# KiCad board Thor_20_expansion.kicad_pcb (continued)
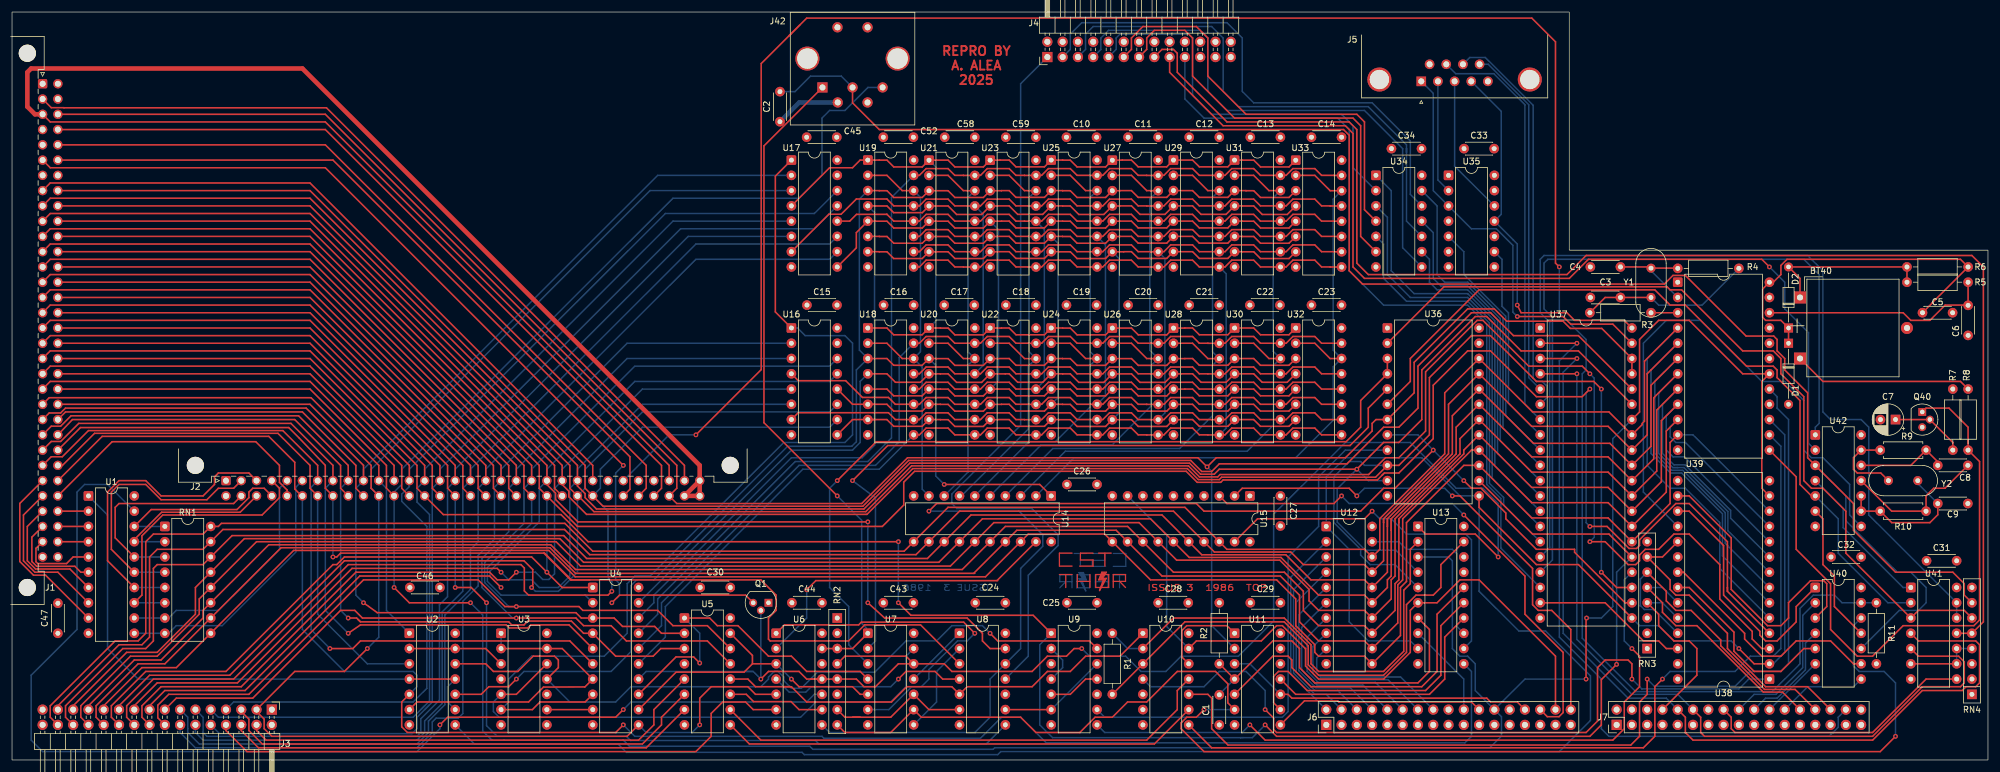
[diagram p0: board, top side]
## Routing (per net, layer and track width the routed paths; a pad name or vN(x,y) marks a point on that pad's centre or on a via; arc(x,y) is an arc through that point) (continued)
A1: length 532.2
  Top w0.25: J2.b24 92.71,45.21 92.71,49.02 49.53,92.2 J1.b9 ; 94.11,43.94 96.73,41.32 141.9,41.32 149.52,48.94 195.53,48.94 197.37,47.1 200.39,47.1 200.79,47.5 225.48,47.5 228.28,50.29 230.5,50.29 234.95,54.74 234.95,64.58 243.52,73.15 244.47,73.15 252.09,65.53 260.99,65.53 v1(262.25,64.26) ; 17.78,9.02 22.86,14.1 36.2,14.1 55.24,33.15 85.09,33.15 86.55,31.69 86.55,29.15 v1(86.36,28.7) ; v1(262.25,36.32) 264.8,36.32 268.61,32.51 269.88,32.51 270.51,33.15 270.51,34.1 271.46,35.05 273.69,35.05 276.23,37.59 278.77,37.59 283.85,32.51 283.85,26.79 289.24,21.4 289.24,20.13 290.83,18.54 U38.3
  Bottom w0.25: v1(86.36,28.7) 87,28.07 90.81,28.07 93.98,31.24 J2.b24 95.25,45.21 95.25,48.39 104.78,57.91 135.89,57.91 137.16,59.18 ; v1(262.25,64.26) 262.98,63.54 262.98,37.05 v1(262.25,36.32)
A2: length 473.4
  Top w0.25: J1.b8 49.53,94.74 95.25,49.02 95.25,45.21 J2.b25 98.24,42.22 141.41,42.22 149.03,49.84 195.9,49.84 197.74,48.01 199.39,48.01 200.66,49.28 221.87,49.28 227.97,55.37 230.5,55.37 233.68,58.55 233.68,65.53 242.57,74.42 245.74,74.42 249.55,70.61 260.35,70.61 U37.36 ; 20.32,5.84 19.05,7.11 19.05,9.02 23.49,13.46 36.83,13.46 55.88,32.51 84.58,32.51 85.15,31.94 85.15,28.13 85.85,27.43 99.06,27.43 v1(99.69,28.07)
  Bottom w0.25: v1(99.69,28.07) 99.69,29.72 99.06,30.35 99.06,41.4 J2.b25 97.79,45.21 97.79,48.39 104.78,55.37 135.89,55.37 U16.10
A3: length 489.3
  Top w0.25: J1.a9 6.35,93.47 49.53,93.47 93.98,49.02 J2.a24 93.98,45.59 95.25,44.32 95.25,43.69 ; 20.32,9.02 24.13,12.83 37.46,12.83 56.51,31.88 80.65,31.88 v1(81.28,31.24) ; 269.24,59.18 260.35,68.07 250.83,68.07 245.11,73.79 243.21,73.79 234.31,64.9 234.31,56.64 230.5,52.83 227.97,52.83 v1(223.52,48.39) 200.66,48.39 199.83,47.56 197.55,47.56 195.72,49.39 149.22,49.39 141.6,41.77 97.13,41.77 95.25,43.65
  Bottom w0.25: v1(81.28,31.24) 82.55,29.97 86.36,29.97 87.63,28.7 90.81,28.7 92.71,30.61 92.71,45.21 J2.a24 93.98,48.39 104.78,59.18 129.54,59.18 ; U36.11 225.42,46.48 v1(223.52,48.39) 220.25,45.12 220.25,39.59 224.93,34.91 230.01,34.91 U13.4
A4: length 523.6
  Top w0.25: J2.a23 91.44,49.02 49.53,90.93 6.35,90.93 J1.a10 ; 22.86,5.84 21.59,7.11 21.59,9.02 24.77,12.19 38.1,12.19 57.15,31.24 79.38,31.24 80.65,29.97 82.55,29.97 v1(83.82,31.24) ; 91.44,45.84 92.54,44.74 92.54,43.81 95.49,40.87 142.09,40.87 149.71,48.49 195.34,48.49 197.18,46.65 200.65,46.65 201.04,47.05 226.62,47.05 228.6,49.02 230.5,49.02 235.59,54.1 235.59,63.63 242.57,70.61 245.74,70.61 253.36,62.99 262.89,62.99 v1(264.16,61.72) ; U37.23 266.7,28.7 v1(264.16,31.24)
  Bottom w0.25: 228.6,49.02 224.79,49.02 224.16,49.66 222.25,49.66 219.71,47.12 219.71,39.5 224.16,35.05 224.16,34.09 225.74,32.51 229.87,32.51 U13.5 ; v1(83.82,31.24) 87,31.24 88.2,30.04 89.22,30.04 90.17,30.99 90.17,45.21 J2.a23 91.44,48.39 104.78,61.72 U16.5 ; v1(264.16,61.72) v1(264.16,31.24)
A5: length 347.2
  Top w0.25: 88.9,45.84 90.34,44.4 90.34,43.35 94.06,39.62 v1(142.24,39.62) ; J2.a22 88.9,49.02 49.53,88.39 6.35,88.39 J1.a11 ; U8.13 162.56,18.54 161.29,19.81 161.29,21.08 158.75,23.62 145.03,23.62 v1(142.24,26.16) ; v1(81.28,28.7) 79.38,30.61 57.79,30.61 38.74,11.56 25.4,11.56 22.86,9.02
  Bottom w0.25: v1(81.28,28.7) 79.46,30.52 79.46,31.45 87.63,39.62 87.63,45.21 J2.a22 88.9,48.39 103.5,62.99 135.89,62.99 U16.13 ; v1(142.24,39.62) v1(142.24,26.16)
A6: length 299.3
  Top w0.25: J2.a21 86.36,49.02 49.53,85.85 6.35,85.85 J1.a12 ; U5.14 115.57,22.35 109.85,22.35 107.31,24.89 94.87,24.89 94.23,25.53 v1(83.82,25.53) 81.91,25.53 77.47,29.97 58.42,29.97 39.37,10.92 26.03,10.92 24.23,9.11 24.23,7.02 25.4,5.84
  Bottom w0.25: v1(83.82,25.53) 82.55,25.53 78.56,29.52 78.56,32.84 85.09,39.37 85.09,45.21 J2.a21 86.36,48.39 103.5,65.53 135.89,65.53 U16.14
A7: length 283.7
  Top w0.25: J1.a13 6.35,83.31 49.53,83.31 83.82,49.02 J2.a20 ; J3.15 27.3,10.29 40.01,10.29 54.61,24.89 56.97,24.89 58.24,23.62 v1(83.82,23.62) 93.73,23.62 95,22.35 99.57,22.35 102.11,19.81 115.57,19.81 U5.13
  Bottom w0.25: v1(83.82,23.62) 83.19,23.62 78.1,28.7 78.1,33.53 82.55,37.97 82.55,45.21 J2.a20 83.82,48.39 102.23,66.8 U16.3
A8: length 245.3
  Top w0.25: J1.a14 6.35,80.77 49.53,80.77 81.28,49.02 J2.a19
  Bottom w0.25: 27.94,5.84 27.94,4.57 30.48,2.03 67.31,2.03 69.85,4.57 69.85,6.33 70.49,6.97 74.17,6.97 74.93,7.73 74.93,26.42 77.47,28.96 77.47,34.04 80.18,36.75 80.18,45.38 J2.a19 81.28,48.39 102.23,69.34 129.54,69.34
A9: length 255.9
  Top w0.25: J2.a18 78.74,49.02 49.53,78.23 6.35,78.23 J1.a15
  Bottom w0.25: 67.31,2.67 31.12,2.67 29.21,4.57 29.21,5.21 29.21,7.11 J3.13 ; 67.31,2.67 69.22,4.57 69.22,6.48 71.94,9.2 71.94,24.13 76.2,28.39 76.2,35.05 77.47,36.32 77.47,45.21 J2.a18 78.74,48.39 113.66,83.31 135.89,83.31 U17.10
A10: length 249.6
  Top w0.25: J1.a16 6.35,75.69 49.53,75.69 76.2,49.02 J2.a17
  Bottom w0.25: 30.48,5.84 30.48,4.57 31.75,3.3 67.31,3.3 68.58,4.57 68.58,6.48 71.49,9.39 71.49,24.64 74.93,28.08 74.93,45.21 J2.a17 76.2,48.39 113.66,85.85 135.89,85.85 U17.11
A11: length 240.8
  Top w0.25: J2.a16 73.66,49.02 49.53,73.15 6.35,73.15 J1.a17
  Bottom w0.25: J3.11 31.75,7.11 31.75,4.57 32.38,3.94 67.31,3.94 67.94,4.57 67.94,6.86 71.04,9.95 71.04,25.82 72.39,27.18 72.39,45.21 J2.a16 73.66,48.39 112.39,87.12 U17.6
A12: length 243.3
  Top w0.25: J2.a15 71.12,49.02 49.53,70.61 6.35,70.61 J1.a18
  Bottom w0.25: 69.34,9.14 67.31,7.11 67.31,5.21 66.49,4.39 34.48,4.39 33.02,5.84 ; 68.58,8.38 69.85,9.65 69.85,45.21 J2.a15 71.12,48.39 111.12,88.39 133.35,88.39 U17.13
A13: length 231.3
  Top w0.25: J1.a19 6.35,68.07 49.53,68.07 68.58,49.02 J2.a14
  Bottom w0.25: 68.58,9.02 67.31,7.75 66.68,7.11 34.29,7.11 J3.9 ; 68.01,8.45 69.4,9.84 69.4,40.84 67.31,42.93 67.31,45.21 J2.a14 68.58,48.39 109.85,89.66 U17.5
A14: length 234.8
  Top w0.25: J2.a13 66.04,49.02 49.53,65.53 6.35,65.53 J1.a20
  Bottom w0.25: J3.7 36.83,9.65 66.68,9.65 68.95,11.92 68.95,38.86 64.77,43.04 64.77,44.23 66.04,45.5 J2.a13 66.04,48.39 108.58,90.93 133.35,90.93 U17.14
A15: length 301.3
  Top w0.25: v1(59.05,18.54) 55.24,14.73 46.99,14.73 J3.3 ; J2.b11 59.69,45.21 59.69,49.02 49.53,59.18 J1.b22 ; 40.64,8.06 41.91,6.79 41.91,5.21 43.18,3.94 102.23,3.94 104.14,5.84 ; U6.5 123.57,10.92 122.3,12.19 116.2,12.19 114.3,10.29 v1(114.3,5.84)
  Bottom w0.25: v1(114.3,5.84) 113.03,4.57 105.41,4.57 104.14,5.84 ; v1(59.05,18.54) 60.96,20.45 J2.b11 59.69,45.21 59.69,48.39 106.04,94.74 U17.3
A16: length 230.6
  Top w0.25: U5.2 107.95,21.08 106.81,22.22 101.47,22.22 100.08,23.62 U4.3 94.62,23.62 93.73,24.51 60.71,24.51 v1(58.42,26.16) ; J1.a23 6.18,57.74 8.08,57.74 8.88,58.55 48.9,58.55 58.42,49.02 J2.a10
  Bottom w0.25: U17.2 107.31,97.28 58.42,48.39 J2.a10 57.15,45.21 57.15,27.43 v1(58.42,26.16)
A17: length 141.9
  Top w0.25: 57.53,23.37 57.91,22.99 82.55,22.99 83.06,22.48 85.09,22.48 85.72,23.11 92.96,23.11 95,21.08 U4.4 100.33,17.27 106.55,17.27 107.82,18.54 U5.3 ; 57.53,23.37 57.79,23.11 ; 57.53,23.37 57.28,23.62 v1(55.88,23.62) ; J1.a24 6.52,55.54 8.08,55.54 9.81,57.28 47.63,57.28 55.88,49.02 J2.a9
  Bottom w0.25: J2.a9 54.61,45.21 54.61,24.89 v1(55.88,23.62)
A18: length 126.2
  Top w0.25: J2.a8 53.34,49.02 46.35,56.01 11.08,56.01 8.08,53 6.52,53 J1.a25 ; U4.5 92.58,22.48 86.23,22.48 85.72,21.97 82.64,21.97 82.13,22.48 57.91,22.48 v1(55.88,21.08)
  Bottom w0.25: v1(55.88,21.08) 52.07,24.89 52.07,45.21 J2.a8
A19: length 128.5
  Top w0.25: 96.52,16 92.71,19.81 57.91,19.81 56.64,18.54 v1(52.83,18.54) ; J1.a26 6.52,50.46 8.35,50.46 12.7,54.81 45.01,54.81 50.8,49.02 J2.a7
  Bottom w0.25: v1(52.83,18.54) 49.7,21.67 49.7,45.38 J2.a7
ACK_HOLD: length 56
  Top w0.25: U11.5 209.55,17.27 212.09,17.27 212.72,16.64 212.72,15.37 215.9,12.19 234.31,12.19 236.85,14.73 236.85,24.26 U13.16
BLK1: length 50
  Top w0.25: 123.06,16 U6.3 ; 123.06,16 121.67,14.6 110.36,14.6 U4.12 ; 123.06,16 123.06,17.4 U5.15 ; U7.5 140.97,10.92 139.7,12.19 130.81,12.19 130.81,12.19 129.54,13.46
  Bottom w0.25: 127,16 129.54,13.46 v1(129.54,13.46)
CLKCPU: length 91
  Top w0.25: J2.a11 60.96,49.02 49.7,60.28 6.18,60.28 J1.a22
  Bottom w0.25: U2.1 62.23,24.89 62.23,45.21 J2.a11
CS1: length 119.2
  Top w0.25: v1(205.74,5.84) 208.28,3.3 266.06,3.3 267.97,5.21 267.97,9.65 270.51,12.19 270.51,17.27 v1(269.24,18.54)
  Bottom w0.25: U9.8 181.61,4.57 204.47,4.57 v1(205.74,5.84) ; v1(269.24,18.54) 267.97,19.81 267.97,29.97 U37.24
CS2: length 87.1
  Bottom w0.25: U9.9 181.61,7.11 211.14,7.11 212.09,8.06 212.09,33.78 217.17,38.86 217.17,47.12 221.61,51.56 228.6,51.56
DISC: length 77.7
  Top w0.25: U13.2 232.41,35.05 232.41,29.34 231.32,28.25 231.32,18.1 227.96,14.73 217.17,14.73 215.9,16 215.9,19.17 211.45,23.62 193.04,23.62 U10.2
  Bottom w0.25: R1.2 185.42,18.54 U10.2
DS: length 52.5
  Top w0.25: U3.2 U3.13 91.44,18.54 U4.7 95.19,12.13 ; U2.6 67.31,9.65 85.85,9.65 88.33,12.13 95.22,12.16
  Bottom w0.25: U3.1 U3.2
DS': length 300.2
  Top w0.25: 48.13,43.94 46.99,45.09 46.99,49.53 42.67,53.85 14.99,53.85 J1.b27 ; v1(101.6,5.84) 100.33,4.57 65.72,4.57 64.77,5.52 64.77,9.65 U2.5
  Bottom w0.25: U13.11 242.57,14.73 242.57,3.94 241.48,2.85 171.9,2.85 167.64,7.11 164.47,7.11 160.97,3.62 134.94,3.62 134.62,3.94 103.5,3.94 v1(101.6,5.84) ; U2.5 67.31,12.19 67.31,14.1 66.68,14.73 55.24,14.73 48.26,21.72 J2.b6
DSMC: length 388
  Top w0.25: v1(257.18,82.04) 256.54,82.68 256.54,119.51 252.6,123.44 132.08,123.44 129.48,120.84 ; v1(113.66,54.1) 124.52,64.96 124.52,115.89 129.48,120.84 ; 129.48,120.84 129.16,120.52 130.94,122.3
  Bottom w0.25: v1(113.66,54.1) 109.22,54.1 J2.a27 ; R11.2 U40.13 304.17,26.16 302.9,27.43 299.4,27.43 297.18,25.21 297.18,16 292.55,11.37 269.88,11.37 260.99,20.26 260.99,64.26 261.62,64.9 261.62,69.98 257.18,74.42 v1(257.18,82.04)
DTACK: length 194.4
  Top w0.25: 96.01,29.97 92.84,29.97 88.39,34.42 ; 96.01,29.97 124.46,29.97 127,27.43 127,24.89 125.73,23.62 125.73,20.1 126.02,19.81 139.05,19.81 141.72,22.48 151,22.48 U8.3 ; 96.01,29.97 92.96,29.97 92.33,30.61 ; 88.39,34.42 54.61,34.42 53.98,33.78 v1(53.34,33.78) ; 88.39,34.42 88.52,34.42 92.33,30.61 ; J2.b8 52.07,45.21 52.07,49.02 47.73,53.57 45.98,55.31 11.37,55.31 J1.b25 ; 92.33,30.61 92.46,30.48
  Bottom w0.25: J2.b8 v1(53.34,33.78)
E: length 366
  Top w0.25: 243.84,46.48 252.73,37.59 265.43,37.59 269.24,33.78 ; J1.b19 49.53,66.8 67.31,49.02 67.31,45.21 J2.b14 71.69,40.83 91.25,40.83 95.76,36.32 v1(147.32,36.32) ; v1(147.32,26.16) 149.41,24.07 169.73,24.07 U9.1 ; v1(266.7,15.91) 264.16,13.37 264.16,5.84 262.25,3.94 210.18,3.94 208.28,5.84 v1(208.28,5.84)
  Bottom w0.25: 269.24,33.78 266.7,31.24 v1(266.7,15.91) ; v1(208.28,5.84) 206.15,3.71 204.22,3.71 ; 204.22,3.71 204.63,3.71 ; 204.22,3.71 172.95,3.71 170.81,5.84 170.81,19.18 U9.1 ; v1(147.32,36.32) v1(147.32,26.16)
EN: length 233.7
  Top w0.25: v1(177.8,18.54) 176.53,18.54 175.26,17.27 172.08,17.27 169.54,14.73 156.21,14.73 154.94,16 U7.12 ; U7.12 148.59,17.27 138.43,17.27 RN2.4 ; U7.12 147.32,16 143.51,12.19 141.6,12.19 140.33,13.46 132.72,13.46 ; U6.11 132.08,13.46 130.81,14.73 125.73,14.73 v1(124.46,13.46) ; v1(247.02,33.78) 243.21,37.59 234.95,37.59 U13.1
  Bottom w0.25: 121.92,14.73 105.41,14.73 U4.14 ; 121.92,14.73 123.19,14.73 v1(124.46,13.46) Q1.2 ; 121.92,14.73 123.06,14.73 ; v1(247.02,33.78) 247.02,42.67 244.47,45.21 240.03,45.21 232.41,52.83 221.61,52.83 209.69,40.91 209.69,23.13 203.83,17.27 194.31,17.27 191.77,14.73 187.64,14.73 185.1,17.27 179.07,17.27 v1(177.8,18.54)
EXTINT: length 349.7
  Top w0.25: J1.b3 52.07,107.44 110.49,49.02 110.49,45.21 J2.b30 110.49,42.67 141.22,42.67 148.84,50.29 197.1,50.29 v1(198.63,48.77) 200.15,50.29 221.62,50.29 226.06,54.73 226.06,56.01 226.69,56.64 U36.7 233.04,61.09 233.04,66.17 241.93,75.06 246.38,75.06 248.43,73.01 257.81,73.01 259.01,71.81 264.23,71.81 U37.38 U37.37
  Bottom w0.25: U11.2 199.39,22.35 199.39,48.01 v1(198.63,48.77)
FC0: length 134.1
  Top w0.25: J2.b21 85.09,45.21 85.09,49.02 49.53,84.58 J1.b12
  Bottom w0.25: J2.b21 86.36,39.37 79.01,32.02 79.01,29.71 81.28,27.43 95.25,27.43 U4.2
FDC_DDEN: length 26
  Top w0.25: U37.19 264.8,26.16 271.15,19.81 273.69,19.81 274.96,18.54 U38.26
FDC_DS0': length 153.3
  Top w0.25: J7.10 278.13,7.11 278.13,4.57 279.4,3.3 309.25,3.3 317.51,11.56 324.14,11.56 324.77,12.19 326.39,12.19 327.03,12.83 327.03,19.18 326.39,19.81 316.87,19.81 U41.4 ; U37.3 v1(260.1,66.8)
  Bottom w0.25: v1(260.1,66.8) 257.81,64.52 257.81,21.08 268.61,10.29 274.96,10.29 J7.10
FDC_DS1': length 139.8
  Top w0.25: v1(260.1,64.26) U37.4 ; U41.5 316.87,17.27 323.54,17.27 324.49,16.32 324.49,12.83 323.85,12.19 317.5,12.19 309.25,3.94 281.31,3.94 280.67,4.57 280.67,7.11 J7.12
  Bottom w0.25: J7.12 276.86,10.92 269.24,10.92 260.1,20.07 v1(260.1,64.26)
FDC_SIDE: length 118.3
  Top w0.25: 254,69.34 v1(260.1,69.34)
  Bottom w0.25: v1(260.1,69.34) 257.18,66.42 257.18,20.45 264.16,13.46 264.16,5.21 265.43,3.94 302.02,3.94 303.53,5.45 303.53,7.11 J7.32
LD0: length 405.5
  Top w0.25: U39.4 271.33,66.35 271.33,56.38 270.96,56.01 270.96,55.82 U37.33 265.43,57.91 252.73,57.91 U36.22 238.12,61.09 238.12,50.94 227.33,40.15 227.33,35.05 U12.18 224.79,35.05 201.93,35.05 U15.18 194.94,42.04 155.57,42.04 U14.11 148.28,34.74 96.52,34.74 91.89,39.37 34.8,39.37 34.29,38.86 RN1.16 31.75,37.59 23.49,37.59 22.23,36.32 22.23,21.08 20.95,19.81 17.15,19.81 6.35,9.02 6.35,7.11 7.62,5.84
  Bottom w0.25: U39.4 271.78,66.8 271.78,49.02 275.59,45.21 278.13,45.21 283.85,39.5 283.85,31.88 U38.5
LD1: length 394.2
  Top w0.25: 227.97,40.13 227.97,39.5 ; 227.97,39.5 227.97,40.15 238.76,50.94 238.76,59.18 U36.21 252.59,55.52 265.29,55.52 269.24,51.56 271.78,54.1 271.78,64.26 U39.5 ; 227.97,39.5 227.97,33.15 U12.17 224.79,32.51 214.63,32.51 212.54,34.6 199.84,34.6 U15.17 193.04,41.4 157.48,41.4 U14.12 150.25,34.17 96.01,34.17 91.83,38.35 35.05,38.35 31.75,35.05 24.13,35.05 22.86,33.78 22.86,20.45 21.59,19.18 17.78,19.18 7.62,9.02
  Bottom w0.25: U38.6 284.3,33.97 284.3,40.97 277.51,47.75 275.66,47.75 272.42,51 272.42,64.9 U39.5
LD2: length 391.1
  Top w0.25: 10.16,5.84 8.89,7.11 8.89,9.02 18.41,18.54 22.23,18.54 23.49,19.81 23.49,31.88 24.13,32.51 31.75,32.51 36.58,37.34 91.69,37.34 95.5,33.53 152.15,33.53 U14.13 159.38,40.77 191.13,40.77 U15.16 197.75,34.15 211.72,34.15 215.9,29.97 224.79,29.97 U12.16 228.6,31.24 228.6,38.86 ; U39.6 272.42,62.36 272.42,52.2 269.24,49.02 265.57,52.69 252.87,52.69 U36.20 239.4,57.28 239.4,50.94 228.6,40.14 228.6,38.86 ; 228.6,38.86 228.6,40.13
  Bottom w0.25: U38.7 284.75,36.06 284.75,41.15 277.7,48.2 275.85,48.2 273.05,51 273.05,62.99 U39.6
LD3: length 378
  Top w0.25: 229.23,40.13 229.23,38.23 ; 229.23,38.23 229.23,40.14 240.03,50.94 240.03,55.37 243.84,59.18 252.59,50.44 265.29,50.44 U37.30 272.87,50.11 272.87,60.27 U39.7 ; 229.23,38.23 229.23,30.61 228.6,29.97 228.6,28.7 U12.15 224.79,27.43 217.17,27.43 210.9,33.7 195.66,33.7 U15.15 189.23,40.13 161.29,40.13 U14.14 154.05,32.89 95,32.89 91.06,36.83 38.61,36.83 30.48,28.7 30.48,24.26 24.13,17.91 19.05,17.91 10.16,9.02
  Bottom w0.25: U39.7 273.69,61.09 273.69,51.01 276.04,48.65 276.86,48.65 ; U38.8 285.2,38.14 285.2,41.34 277.89,48.65 276.86,48.65 ; 276.86,48.65 276.23,48.65
LD4: length 372.9
  Top w0.25: U39.8 273.37,58.23 273.37,48.07 U37.29 265.29,47.9 252.59,47.9 U36.18 240.66,53.47 240.66,50.93 229.87,40.14 229.87,30.6 229.23,29.97 229.23,26.8 U12.14 224.79,24.89 217.17,24.89 215.58,26.48 215.58,28.38 210.72,33.25 193.57,33.25 187.32,39.5 163.19,39.5 155.96,32.26 94.49,32.26 90.43,36.32 40.64,36.32 31.12,26.8 31.12,24.26 24.13,17.27 19.69,17.27 11.43,9.02 11.43,7.11 12.7,5.84
  Bottom w0.25: U38.9 285.65,40.23 285.65,41.53 278.07,49.1 276.23,49.1 274.32,51.01 274.32,59.18 U39.8
LD5: length 363.6
  Top w0.25: 230.5,39.5 230.5,40.13 241.3,50.93 241.3,51.56 U36.17 252.59,45.36 265.29,45.36 269.24,41.4 274.14,46.3 274.14,56.46 U39.9 ; 230.5,39.5 230.5,29.97 229.87,29.34 229.87,24.89 U12.13 224.79,22.35 217.17,22.35 214.63,24.89 214.63,28.08 211.47,31.24 193.04,31.24 U15.13 185.42,38.86 165.1,38.86 U14.16 157.93,31.69 93.67,31.69 89.54,35.81 42.67,35.81 31.75,24.89 31.75,23.62 24.77,16.64 20.32,16.64 12.7,9.02 ; 230.5,39.5 230.5,40.13
  Bottom w0.25: U39.9 274.96,57.28 274.96,51.56 276.08,50.44 277.99,50.44 U38.10
LD6: length 361.2
  Top w0.25: 160.02,31.05 93.66,31.05 89.4,35.32 44.72,35.32 RN1.10 25.4,16 20.95,16 13.97,9.02 13.97,7.11 15.24,5.84 ; U39.10 274.96,54.74 274.96,44.58 U37.27 265.29,42.82 252.59,42.82 243.84,51.56 242.57,51.56 231.14,40.13 231.14,29.97 230.32,29.15 230.32,22.8 U12.12 224.79,19.81 217.17,19.81 214,22.99 214,27.43 210.82,30.61 191.13,30.61 U15.12 183.51,38.23 167,38.23 U14.17 159.83,31.05
  Bottom w0.25: U38.11 278.13,52.83 276.54,52.83 275.59,53.78 275.59,55.37 U39.10
LD7: length 352.6
  Top w0.25: 15.24,9.02 21.59,15.37 27.3,15.37 RN1.9 46.81,34.87 89.21,34.87 93.6,30.48 161.8,30.48 U14.18 168.91,37.59 181.61,37.59 U15.11 189.23,29.97 210.19,29.97 213.36,26.8 213.36,22.35 216.53,19.18 216.53,17.91 217.17,17.27 224.79,17.27 U12.11 230.77,20.72 230.77,28.7 231.78,29.7 231.78,39.5 241.3,49.02 243.84,49.02 252.59,40.28 265.29,40.28 U37.26 275.59,42.67 275.59,52.83 U39.11
  Bottom w0.25: U38.12 279.4,54.1 U39.11
PSEL: length 157.3
  Top w0.25: U4.8 95.25,9.65 87.76,9.65 86.49,8.38 U3.6 ; U16.1 126.87,74.55 126.87,97.16 U17.1
  Bottom w0.25: U3.6 82.55,9.65 82.55,13.46 86.36,17.27 98.42,17.27 102.23,21.08 102.23,29.34 103.5,30.61 106.04,30.61 128.27,52.83 138.43,52.83 139.7,54.1 139.7,69.34 138.43,70.61 131.83,70.61 130.56,71.88 U16.1
QL_DSMC: length 166.3
  Top w0.25: Q1.3 121.92,27.43 100.97,27.43 v1(99.69,26.16) ; J1.a6 6.35,98.55 52.07,98.55 v1(101.6,49.02)
  Bottom w0.25: v1(101.6,49.02) 100.33,47.75 100.33,29.97 100.97,29.34 100.97,27.43 v1(99.69,26.16)
RAM: length 7.6
  Top w0.25: U4.9 U3.9
RAM_RW: length 330.2
  Top w0.25: U32.3 212.23,65.68 207.5,65.68 206.38,66.8 U30.3 202.07,65.68 197.34,65.68 196.22,66.8 194.94,66.8 194.93,66.79 U28.3 191.92,65.66 187.19,65.66 186.06,66.79 U26.3 181.75,65.66 177.02,65.66 175.89,66.79 174.62,66.79 174.61,66.8 U24.3 171.59,65.68 166.86,65.68 165.73,66.8 163.83,66.8 163.81,66.79 U22.3 161.44,65.66 156.71,65.66 155.58,66.79 153.69,66.79 153.67,66.8 U20.3 151.28,65.68 146.54,65.68 145.41,66.8 U18.3 ; v1(83.82,13.46) 82.55,12.19 79.25,12.19 77.98,10.92 U2.10 ; U19.3 144.13,94.74 144.14,94.73 145.42,94.73 146.55,93.6 151.28,93.6 U21.3 155.58,94.73 156.71,93.6 161.44,93.6 U23.3 164.45,94.73 164.47,94.74 165.73,94.74 166.86,93.62 171.59,93.62 U25.3 174.61,94.74 174.62,94.73 175.89,94.73 177.02,93.6 181.75,93.6 U27.3 184.13,94.73 184.15,94.74 186.06,94.74 187.18,93.62 191.91,93.62 U29.3 196.22,94.74 197.34,93.62 202.07,93.62 U31.3 205.09,94.74 205.1,94.73 206.38,94.73 207.51,93.6 212.25,93.6 U33.3 ; U14.1 170.81,45.85 v1(154.94,45.85)
  Bottom w0.25: v1(154.94,45.85) 153.53,47.26 153.53,65.68 U20.3 ; v1(83.82,13.46) 85.09,14.73 99.57,14.73 102.87,18.03 102.87,29.02 103.82,29.97 106.68,29.97 128.91,52.2 139.57,52.2 140.33,52.96 140.33,64.9 U18.3 140.84,68.2 140.84,93.34 U19.3
RESET: length 570.6
  Top w0.25: U37.34 270.51,57.91 270.51,69.98 273.69,73.15 278.77,73.15 287.66,64.26 U39.18 290.83,62.99 290.83,45.21 U38.13 ; v1(261.71,23.62) 261.62,23.62 v1(261.62,13.46) ; v1(76.2,26.16) 66.04,26.16 v1(63.5,28.7) ; J2.b12 62.23,45.21 62.23,49.02 49.53,61.72 J1.b21
  Bottom w0.25: J6.24 251.46,13.46 v1(261.62,13.46) ; J6.24 243.21,11.56 243.21,16 241.93,17.27 240.66,17.27 239.4,18.54 239.4,33.15 238.76,33.78 U13.3 ; J6.24 247.56,7.21 247.56,3.97 245.62,2.03 163.32,2.03 163.07,1.78 133.1,1.78 132.59,2.29 102.62,2.29 101.6,3.3 79.76,3.3 78.23,4.83 78.23,24.13 v1(76.2,26.16) ; J2.b12 v1(63.5,28.7) ; U37.34 266.06,53.47 266.06,25.53 264.16,23.62 v1(261.71,23.62) ; 63.5,44.58 64.77,45.85 64.77,48.39 109.85,93.47 130.81,93.47 134.62,97.28 134.62,106.81 135.89,108.08 138.43,108.08 142.26,111.91 J42.3
RTC_AS: length 148
  Top w0.25: v1(274.32,13.46) 273.05,12.19 273.05,3.94 271.15,2.03 199.39,2.03 U10.8
  Bottom w0.25: U39.14 294,52.2 294,18.54 292.74,17.27 288.93,17.27 286.39,14.73 275.59,14.73 v1(274.32,13.46)
RTC_DS: length 164.6
  Top w0.25: v1(271.78,13.46) 271.78,10.92 270.51,9.65 270.51,3.94 269.06,2.48 202.11,2.48 199.39,5.21 199.39,10.29 198.75,10.92 U10.10
  Bottom w0.25: U39.17 293.37,60.45 293.37,58.55 295.28,56.64 295.28,16 294,14.73 288.84,14.73 286.39,12.28 272.97,12.28 v1(271.78,13.46)
VPA: length 210.6
  Top w0.25: v1(73.66,28.7) 76.33,28.7 v1(78.87,26.16) ; J2.b16 72.39,45.21 72.39,49.02 49.53,71.88 J1.b17
  Bottom w0.25: J2.b16 v1(73.66,28.7) ; U8.8 161.92,2.67 134.11,2.67 133.54,3.24 102.81,3.24 102.11,3.94 80.65,3.94 78.87,5.72 v1(78.87,26.16)
XXX_RW: length 412.5
  Top w0.25: U38.2 289.56,16 v1(287.02,18.54) ; 269.24,23.62 260.35,32.51 253.36,32.51 243.84,42.04 U36.13
  Bottom w0.25: U2.8 76.84,2.67 100.71,2.67 102.11,1.27 131.32,1.27 131.7,0.89 163.83,0.89 164.34,1.4 257.18,1.4 262.35,6.57 262.35,14.01 254.89,21.46 250.44,21.46 243.84,28.07 U36.13 240.66,43.94 234.31,50.29 221.61,50.29 218.44,47.12 U12.1 222.25,35.05 222.25,22.99 225.42,19.81 232.41,19.81 U13.9 ; U39.15 294.64,54.1 294.64,17.91 292.74,16 ; v1(287.02,18.54) 285.75,19.81 276.23,19.81 273.69,22.35 270.51,22.35 269.24,23.62
Net-(BT40-+): length 68.3
  Top w0.25: R6.1 R5.2 D2.2 297.18,80.14 BT40.1 ; BT40.1 300.99,62.99 323.85,62.99 R8.1
  In1.Cu w0.25: BT40.1 BT40.1
Net-(C3-Pad1): length 28.9
  Top w0.25: R3.1 264.8,76.96 C3.1 Y1.1
  Bottom w0.25: R4.2 280.91,75.69 273.69,75.69 Y1.1
Net-(C8-Pad1): length 14.6
  Top w0.25: U42.12 315.6,49.02 R9.1 320.08,49.62
Net-(C8-Pad2): length 24.5
  Top w0.25: C8.2 321.31,45.25 321.31,45.21 319.41,45.21 318.14,43.94 R10.1 312.42,41.4 U42.11
Net-(C9-Pad2): length 23.2
  Top w0.25: U42.10 307.34,41.4 R10.2 312.42,39.5 318.77,39.5 320.08,40.81 C9.2
  Bottom w0.25: C9.2 316.75,46
Net-(D1-K): length 60
  Top w0.25: C5.1 319.09,75.97 319.09,76.01 R5.1 323.85,83.31 295.02,83.31 294,82.29 294,80.77 292.74,79.5 ; D1.1 D2.1 294,73.15 291.47,73.15 290.97,73.64 290.97,78.38 U39.24
Net-(J4-Pin_3): length 86.6
  Bottom w0.25: U34.12 232.41,94.11 232.41,103 226.06,109.35 206.38,109.35 204.47,111.25 204.47,120.14 201.93,122.68 177.8,122.68 175.89,120.78 175.89,118.24 174.62,116.97
Net-(J4-Pin_5): length 89.1
  Bottom w0.25: 231.78,101.73 231.78,102.36 225.42,108.71 203.83,108.71 201.29,111.25 201.29,120.14 199.39,122.05 179.7,122.05 178.44,120.78 178.44,118.24 J4.5 ; 231.78,101.73 231.78,101.73 231.78,101.09 231.78,101.73 ; 231.78,101.73 231.78,89.66 U34.10
Net-(J4-Pin_7): length 88.8
  Bottom w0.25: U34.8 231.14,85.22 231.14,101.73 224.79,108.08 201.93,108.08 198.75,111.25 198.75,120.14 197.48,121.41 182.25,121.41 180.97,120.14 180.97,118.24 J4.7
Net-(J4-Pin_9): length 67.6
  Bottom w0.25: 182.25,116.97 183.51,118.24 183.51,120.14 184.15,120.78 195.58,120.78 196.22,120.14 196.22,110.62 199.39,107.44 220.98,107.44 222.88,105.54 222.88,98.55 U34.2
Net-(J4-Pin_11): length 70.8
  Top w0.25: U34.4 224.79,91.57 224.79,106.17 223.52,107.44 205.1,107.44 198.75,113.79 198.75,120.14 196.85,122.05 187.96,122.05 186.06,120.14 186.06,118.24 184.78,116.97
Net-(J4-Pin_13): length 72.1
  Top w0.25: J4.13 188.59,118.24 188.59,120.14 189.86,121.41 194.94,121.41 196.22,120.14 196.22,113.79 203.2,106.81 222.88,106.81 224.16,105.54 224.16,87.12 U34.6
Net-(J4-Pin_15): length 235.1
  Top w0.25: U41.11 RN4.5 327.66,22.99 327.66,82.04 325.75,83.95 261.62,83.95 258.44,80.77 225.42,80.77 223.52,82.68 223.52,104.9 222.25,106.17 201.93,106.17 193.67,114.43 193.67,117.6 193.04,118.24 191.13,118.24 J4.15
Net-(J4-Pin_17): length 164.9
  Top w0.25: 192.41,116.97 192.41,114.43 201.29,105.54 221.61,105.54 222.88,104.27 222.88,82.04 224.79,80.14 258.84,80.14 262.01,83.31 290.83,83.31 v1(292.1,82.04)
  Bottom w0.25: 299.72,51.56 298.59,52.69 298.59,71.1 294.64,75.06 294.64,79.5 v1(292.1,82.04)
Net-(J4-Pin_19): length 133.9
  Bottom w0.25: 194.94,116.97 194.94,109.98 198.12,106.81 220.34,106.81 222.25,104.9 222.25,81.41 227.97,75.69 241.93,75.69 245.11,72.52 245.11,45.85 247.47,43.49 247.47,35.24 U37.18
Net-(J6-Pin_2): length 32.8
  Bottom w0.25: J6.2 212.54,14.28 212.54,30.42 U12.2
Net-(J6-Pin_4): length 32.1
  Bottom w0.25: U12.3 212.99,28.33 212.99,14.47 216.54,10.92 218.44,10.92 J6.4
Net-(J6-Pin_6): length 31.3
  Bottom w0.25: J6.6 220.34,11.56 216.54,11.56 213.44,14.65 213.44,26.25 U12.4
Net-(J6-Pin_8): length 30.6
  Bottom w0.25: J6.8 222.43,12.01 216.73,12.01 213.89,14.84 213.89,24.16 U12.5
Net-(J6-Pin_10): length 29.8
  Bottom w0.25: U12.6 214.34,22.07 214.34,15.03 216.91,12.46 224.52,12.46 J6.10
Net-(J6-Pin_12): length 28.7
  Bottom w0.25: J6.12 226.61,12.91 217.1,12.91 215.26,14.75 215.26,20.45 U12.7
Net-(J6-Pin_14): length 27.5
  Bottom w0.25: J6.14 228.7,13.36 217.29,13.36 216.23,14.42 216.23,18.87 U12.8
Net-(J6-Pin_16): length 26.6
  Bottom w0.25: U12.9 216.86,16.96 216.86,14.42 217.47,13.81 230.79,13.81 J6.16
Net-(J6-Pin_30): length 87.3
  Top w0.25: v1(241.3,40.77) 251.46,30.61 251.46,24.26 257.81,17.91 257.81,7.89 257.12,7.21 255.18,7.21 J6.30 ; v1(220.98,43.94) 219.71,42.67 201.93,42.67 U15.3
  Bottom w0.25: v1(220.98,43.94) 222.25,42.67 239.4,42.67 v1(241.3,40.77)
Net-(J6-Pin_34): length 84.1
  Top w0.25: U15.2 204.47,45.21 222.25,45.21 v1(223.52,43.94) ; J6.34 259.08,21.72 255.91,24.89 253.68,24.89 252.73,25.84 252.73,31.88 240.66,43.94 v1(239.4,43.94)
  Bottom w0.25: v1(239.4,43.94) 238.12,45.21 224.79,45.21 v1(223.52,43.94)
Net-(J7-Pin_8): length 31.2
  Top w0.25: RN3.4 273.69,24.26 273.69,22.35 276.23,19.81 278.77,19.81 280.04,18.54 280.04,14.1 J7.8
  Bottom w0.25: U38.24 274.32,26.16 RN3.4
Net-(J7-Pin_16): length 45.1
  Top w0.25: U41.8 318.14,13.46 309.25,4.57 286.39,4.57 285.75,5.21 285.75,7.11 J7.16
Net-(J7-Pin_18): length 25.2
  Bottom w0.25: U40.2 297.63,24.07 297.63,15.37 293.19,10.92 289.56,10.92 J7.18
Net-(J7-Pin_20): length 18
  Bottom w0.25: U40.4 298.08,19.44 298.08,15 293.37,10.29 293.37,10.29 291.47,10.29 J7.20
Net-(J7-Pin_22): length 10.8
  Bottom w0.25: 299.72,16 294.64,10.92 294.64,10.92 292.1,8.38
Net-(J7-Pin_24): length 14.8
  Bottom w0.25: U40.8 306.07,12.19 298.45,12.19 J7.24
Net-(J7-Pin_26): length 40.9
  Top w0.25: J7.26 294.27,11.29 291.09,11.29 282.58,19.81 282.58,19.81 280.04,22.35 276.54,22.35 274.32,24.57 274.32,26.16 RN3.5
  Bottom w0.25: RN3.5 274.32,28.7 U38.23
Net-(J7-Pin_28): length 53
  Top w0.25: RN3.6 274.96,28.07 274.96,26.47 276.54,24.89 279.08,24.89 284,19.97 284,19.02 291.28,11.74 296.36,11.74 J7.28
  Bottom w0.25: RN3.6 270.65,30.12 270.65,25.7 271.31,25.04 272.91,25.04 U38.25
Net-(J7-Pin_30): length 49.6
  Top w0.25: J7.30 298.45,12.19 291.47,12.19 285.12,18.54 285.12,21.08 278.77,27.43 276.54,27.43 275.59,28.38 275.59,29.97 271.78,33.78 274.32,33.78 U38.19
Net-(Q40-B): length 12.4
  Top w0.25: C7.1 Q40.2 322.58,52.83 322.58,51.56
Net-(Q40-C): length 105.2
  Top w0.25: Q40.1 318.14,58.55 321.94,58.55 325.12,55.37 325.12,51.56 327.03,49.66 327.03,23.3 326.08,22.35 314.33,22.35 309.25,17.27 306.71,17.27 302.26,21.72 302.26,29.34 296.55,35.05 296.55,47.12 U39.13
Net-(R9-Pad2): length 13.5
  Top w0.25: R9.2 307.34,51.56 306.07,50.29 306.07,48.39 306.71,47.75 310.61,47.75 Y2.1
Net-(RN2B-R2.2): length 110.9
  Top w0.25: U7.1 139.7,18.54 RN2.3 U6.13 ; v1(137.16,43.94) 124.97,56.13 124.97,102.19 J42.1
  Bottom w0.25: 142.88,21.08 141.22,22.73 141.22,39.88 v1(137.16,43.94)
Net-(RN2F-R6.2): length 26
  Top w0.25: U8.6 152.4,8.38 U7.10 146.05,7.11 139.7,7.11 140.97,7.11 138.43,7.11 RN2.7
Net-(RN2G-R7.2): length 236.1
  Top w0.25: RN2.8 138.43,4.57 146.05,4.57 U7.9 151.13,7.11 167.64,7.11 170.18,4.57 177.48,4.57 180.02,7.11 182.88,7.11 185.42,9.65 188.59,9.65 193.67,14.73 200.03,14.73 202.07,12.68 202.07,9.51 U11.6 ; v1(313.06,3.94) 310.52,1.4 198.12,1.4 194.31,5.21 194.31,6.16 195.26,7.11 196.85,7.11 v1(198.12,8.38)
  Bottom w0.25: v1(313.06,3.94) 313.06,12.83 311.15,14.73 307.02,14.73 306.07,15.68 306.07,22.35 U40.12 ; v1(198.12,8.38) U11.6
Net-(RN4C-R3.2): length 12.7
  Top w0.25: 315.6,16 323.22,16
  Bottom w0.25: 323.22,16 U41.10 RN4.4
Net-(RN4E-R5.2): length 138.7
  Top w0.25: 228.6,69.34 238,78.74 275.08,78.74 275.59,78.23 277.5,78.23 287.66,68.07 292.74,68.07 294,66.8 294,64.26 297.81,60.45 297.81,46.48 299.09,45.21 300.99,45.21 304.8,41.4 304.8,34.42 U41.3 316.87,24.89 324.49,24.89 RN4.6
Net-(RN4F-R6.2): length 309.4
  Top w0.25: RN4.7 324.49,27.43 324.49,29.34 322.58,31.24 313.06,31.24 306.07,38.23 306.07,42.67 U42.3 298.45,50.29 298.45,61.09 294.64,64.9 294.64,66.8 293.37,68.07 293.37,69.98 292.81,70.54 288.22,70.54 278.13,80.63 276.06,80.63 274.63,79.19 224.48,79.19 224.47,79.18 222.25,81.4 222.25,103.95 221.3,104.9 144.14,104.9 139.7,109.35 J42.2
  Bottom w0.25: U40.10 313.69,24.89 316.87,24.89 318.14,26.16 318.14,28.7 315.6,31.24 313.37,31.24 304.8,39.81 304.8,43.94 U42.3 ; J42.2 137.82,113.79 132.72,113.79 130.13,111.21 C2.2
Net-(U1-A->B): length 93.6
  Top w0.25: U2.4 U2.11
  Bottom w0.25: 12.06,44.58 15.88,40.77 15.88,18.54 20.95,13.46 U2.4 ; U2.11 72.39,12.19 72.39,9.65 U2.9
Net-(U1-CE): length 192.9
  Top w0.25: v1(71.12,5.84) 72.39,7.11 100.33,7.11 v1(101.6,8.38)
  Bottom w0.25: 20.32,41.4 15.88,45.85 12.06,45.85 10.8,44.58 10.8,21.72 3.17,14.1 3.17,3.3 5.08,1.4 67.31,1.4 71.12,5.21 v1(71.12,5.84) ; U6.10 133.35,10.92 132.08,9.65 102.87,9.65 v1(101.6,8.38)
Net-(U3A-C): length 16.3
  Top w0.25: U3.3 78.74,18.54 U2.13 U2.2
Net-(U3A-Q): length 91.1
  Top w0.25: U3.5 83.82,10.92 U3.12
  Bottom w0.25: U3.5 80.01,9.65 80.01,8.06 80.96,7.11 131.07,7.11 133.61,9.65 146.05,9.65 148.59,12.19 148.59,17.27 U7.13
Net-(U5B-O1): length 16.3
  Top w0.25: U5.11 122.05,10.92 123.25,9.72 129.48,9.72 130.81,8.38 U6.9
Net-(U5B-O2): length 84.4
  Top w0.25: U10.11 193.67,11.56 193.67,8.38 188.59,3.3 124.46,3.3 U5.10
Net-(U5B-O3): length 79.9
  Top w0.25: U10.9 189.86,2.67 122.56,2.67 U5.9
Net-(U6-Pad1): length 57.9
  Top w0.25: U6.1 128.4,22.48 140.71,22.48 141.16,22.93 158.17,22.93 v1(160.02,21.08)
  Bottom w0.25: 142.88,8.38 145.73,8.38 149.54,12.19 151.13,12.19 152.4,13.46 152.4,15.05 157.16,19.81 158.75,19.81 v1(160.02,21.08)
Net-(U6-Pad4): length 33.8
  Top w0.25: v1(147.32,13.46) 148.59,14.73 153.42,14.73 154.69,13.46 157.99,13.46
  Bottom w0.25: v1(147.32,13.46) 146.05,12.19 132.84,12.19 131.95,11.3 129.16,11.3 U6.4
Net-(U7-Pad8): length 15.9
  Bottom w0.25: U8.2 153.67,14.73 153.67,9.65 U7.8
Net-(U7-Pad11): length 10.8
  Bottom w0.25: U7.11 U8.1
Net-(U9A-Q): length 8.7
  Top w0.25: U9.5 175.89,10.92 178.44,13.46 U9.11
Net-(U9A-~{Q}): length 18.4
  Top w0.25: U8.9 U9.6
  Bottom w0.25: U9.6 U9.12
Net-(U10-Pad12): length 15.6
  Top w0.25: U10.12 194.45,17.13 194.45,21.55 195.26,22.35 201.93,22.35 U11.1
Net-(U12-CE): length 28.6
  Bottom w0.25: U12.19 230.5,36.32 231.78,35.05 239.4,35.05 240.17,34.27 240.17,22.21 U13.13
Net-(U13-I7): length 57.4
  Top w0.25: 200.66,16 U11.4 209.55,19.81 212.72,19.81 214,18.54 214,15.37 216.53,12.83 233.68,12.83 235.59,14.73 235.59,21.72 U13.7
  Bottom w0.25: U11.4 200.66,10.92
Net-(U13-IO1): length 85
  Top w0.25: U13.19 237.49,32.51 237.49,28.7 236.22,27.43 233.36,27.43 231.78,25.85 231.78,17.91 227.96,14.1 217.17,14.1 215.45,15.82 215.45,18.99 211.45,22.99 194.94,22.99 U10.3 R1.1
Net-(U13-IO5): length 50.2
  Top w0.25: U13.15 237.49,22.35 237.49,14.1 234.95,11.56 215.26,11.56 212.09,14.73 210.5,14.73 209.69,13.93 209.69,9.51 U11.9
Net-(U13-IO6): length 40.9
  Top w0.25: U11.11 213.36,10.92 235.59,10.92 238.12,13.46 238.12,20.45 U13.14
Net-(U13-IO8): length 62.1
  Top w0.25: U15.19 207.01,40.13 224.79,40.13 v1(226.06,41.4)
  Bottom w0.25: U13.12 242.57,19.81 242.57,36.64 241.62,37.59 231.78,37.59 229.23,40.13 227.33,40.13 v1(226.06,41.4)
Net-(U35A-C): length 69.1
  Top w0.25: v1(250.19,73.79) 257.81,73.79 259.08,72.52 266.06,72.52 269.24,69.34
  Bottom w0.25: J5.1 236.22,110.94 236.22,94.74 U35.3 242.57,88.39 246.7,88.39 249.46,85.63 249.46,74.51 v1(250.19,73.79)
Net-(U35A-D): length 18.9
  Bottom w0.25: J5.2 237,96.5 U35.2
Net-(U35A-Q): length 41.9
  Bottom w0.25: U35.5 241.3,84.58 ; 254,51.56 248.27,57.29 248.27,73.82 241.31,80.78 241.31,84.58
Net-(U35B-C): length 62.2
  Top w0.25: U37.40 267.97,73.15 259.72,73.15 258.44,74.42 250.83,74.42 v1(250.19,75.69)
  Bottom w0.25: v1(250.19,75.69) 250.19,85.85 249.55,86.49 249.56,86.5 246.4,89.66 ; J5.4 247.52,107.94 247.52,90.8 U35.11
Net-(U35B-D): length 23.5
  Bottom w0.25: U35.12 239.77,98.81 J5.3
Net-(U35B-Q): length 33.6
  Bottom w0.25: U35.9 247.65,83.31 247.65,75.49 248.72,74.42 248.72,59.38 U37.8
Net-(U36-Rx_CLK): length 137.6
  Top w0.25: U36.3 U36.4 224.16,59.82 224.16,55.37 221.74,52.96 143.64,52.96 v1(137.16,46.48)
  Bottom w0.25: U7.3 139.06,19.18 139.06,25.53 135.89,28.7 135.89,45.21 v1(137.16,46.48)
Net-(U36-Tx_Data): length 130.3
  Top w0.25: 299.09,43.94 297.18,45.85 297.18,59.82 293.37,63.63 293.37,64.9 292.74,65.53 288.29,65.53 278.13,75.69 275.59,75.69 273.05,78.23 243.84,78.23 232.41,66.8 232.41,62.99 228.6,59.18
  Bottom w0.25: U41.2 311.79,26.16 303.53,34.42 303.53,40.13 U42.5
Net-(U36-~{CTS}): length 143.4
  In1.Cu w0.25: U6.12 132.08,16 132.08,23.62 134.62,23.62 139.7,28.7 167.9,28.7 175.26,36.32 178.44,39.23 178.44,41.77 186.32,49.66 214,49.66 219.71,55.37 223.66,55.37 226.06,57.77 229.73,57.77 U36.24
Net-(U36-~{RTS}): length 127.4
  Top w0.25: v1(139.7,46.48) 145.54,52.32 222.38,52.32 225.42,55.37 225.42,58.55 U36.5
  Bottom w0.25: U7.2 143.51,19.81 143.51,43.58 143.33,43.76 v1(139.7,46.48)
Net-(U37-PA3): length 59.1
  Bottom w0.25: U37.5 252.09,63.63 252.09,109.03 245.36,115.77 J5.9
Net-(U37-PA4): length 67.2
  Bottom w0.25: J5.8 242.28,116.89 244.87,116.89 252.82,108.94 252.82,63.54 253.37,62.99 254.32,62.99 255.13,62.19 255.13,60.31 254,59.18
Net-(U37-PA5): length 69.3
  Bottom w0.25: U37.7 251.46,59.18 251.46,109.03 246.29,114.2 239.95,114.2 J5.7
Net-(U37-PB0): length 56.1
  Bottom w0.25: U34.13 236.85,92.2 236.85,80.77 238.12,79.5 241.95,79.5 247.82,73.64 247.82,55.21 254,49.02
Net-(U37-PB1): length 53.9
  Bottom w0.25: U34.11 236.22,87.76 236.22,80.14 237.49,78.87 241.95,78.87 247.36,73.45 247.36,53.12 U37.11
Net-(U37-PB2): length 51.8
  Bottom w0.25: U37.12 246.91,51.03 246.91,73.26 241.95,78.23 236.86,78.23 235.59,79.5 235.59,83.31 U34.9
Net-(U37-PB3): length 72.4
  Bottom w0.25: U34.1 229.23,94.74 229.23,81.41 233.04,77.6 241.94,77.6 246.46,73.08 246.46,48.94 254,41.4
Net-(U37-PB4): length 70.2
  Bottom w0.25: U34.3 228.6,90.3 228.6,80.77 232.41,76.96 241.94,76.96 246.01,72.89 246.01,46.85 U37.14
Net-(U37-PB5): length 68.1
  Bottom w0.25: U34.5 227.97,85.85 227.97,80.14 231.78,76.33 241.94,76.33 245.56,72.7 245.56,46.03 247.92,43.68 247.92,42.41 U37.15
Net-(U37-PB6): length 169.1
  Bottom w0.25: U41.12 U41.13 308.61,40.77 308.61,55.37 307.34,56.64 302.26,56.64 300.99,57.91 300.99,81.41 298.45,83.95 254.64,83.95 254,83.31 254,74.42 255.58,72.84 255.58,35.36 254,33.78
Net-(U37-PB7): length 126.8
  Bottom w0.25: U37.17 256.03,33.27 256.03,73.66 254.64,75.06 254.64,82.68 255.27,83.31 297.81,83.31 300.36,80.77 300.36,56.01 299.72,55.37 U42.1
Net-(U38-CLK): length 92.6
  Bottom w0.25: U42.8 305.44,40.77 305.44,45.85 300.99,50.29 299.09,50.29 297.81,51.56 297.81,59.82 294.64,62.99 290.83,62.99 280.67,73.15 274.96,73.15 271.15,69.34 271.15,44.58 U38.18
Net-(U38-DIRC): length 42.2
  Top w0.25: U40.1 296.55,25.53 296.55,22.99 293.37,19.81 291.47,19.81 290.51,20.76 290.51,21.4 284.48,27.43 284.48,35.69 278.77,41.4 U38.17
Net-(U38-STEP): length 50
  Top w0.25: U38.16 278.77,43.94 285.75,36.96 285.75,28.38 291.78,22.35 294,22.35 295.28,23.62 295.28,26.18 298.92,29.83 301.13,29.83 301.62,29.34 301.62,25.53 U40.3
Net-(U38-WD): length 32.1
  Top w0.25: U38.22 278.77,28.7 286.2,21.27 286.2,18.09 289.56,14.73 294,14.73 297.81,18.54 U40.5
Net-(U38-WG): length 39.5
  Top w0.25: 307.34,16 306.07,16 302.26,19.81 296.55,19.81 294,17.27 290.83,17.27 287.97,20.13 287.97,21.08 277.81,31.24 U38.21
Net-(U38-~{CS}): length 127.3
  Top w0.25: v1(208.28,8.38) 209.69,6.97 209.69,5.06 210.19,4.57 261.62,4.57 263.53,6.48 263.53,15.37 264.8,16.64 268.61,16.64 269.24,16 v1(269.24,13.46)
  Bottom w0.25: U38.1 288.66,13.46 287.02,11.82 270.88,11.82 v1(269.24,13.46) ; U10.4 189.23,12.19 198.12,12.19 200.66,14.73 205.1,14.73 208.28,11.56 v1(208.28,8.38)
Net-(U39-PS): length 38.4
  Top w0.25: U39.22 314.33,74.42 315.6,73.15 318.77,73.15 321.31,75.69 325.12,75.69 R6.2
Net-(U39-X_in): length 15.6
  Top w0.25: C4.1 272.22,82.04 ; Y1.2 276.82,81.84
  Bottom w0.25: U39.2 272.42,81.41
Net-(U39-X_out): length 4.4
  Top w0.25: R3.2 U39.3
Net-(U40-Pad11): length 23.5
  Top w0.25: U40.11 302.9,25.53 302.9,30.61 300.99,32.51 300.99,40.13 299.72,41.4
Net-(U41-Pad1): length 25.1
  Bottom w0.25: U41.1 314.33,28.7 304.35,38.68 304.35,41.85 U42.4

## Copper pours and planes (outline as drawn; the poured copper is in the pictures)
+5V on In1.Cu: 0,124.46 0,0 328.42,0 328.42,84.84 258.83,84.84 258.83,124.46
GND on In2.Cu: 0,124.46 0,0 328.42,0 328.42,84.84 258.83,84.84 258.83,124.46

## Text on the board
Bottom: ISSUE 3  1986
Top: ISSUE 3  1986  TOP | REPRO BY / A. ALEA / 2025
F.Mask: REPRO BY / A. ALEA / 2025
